# KiCad board EOutside.kicad_pcb (continued)
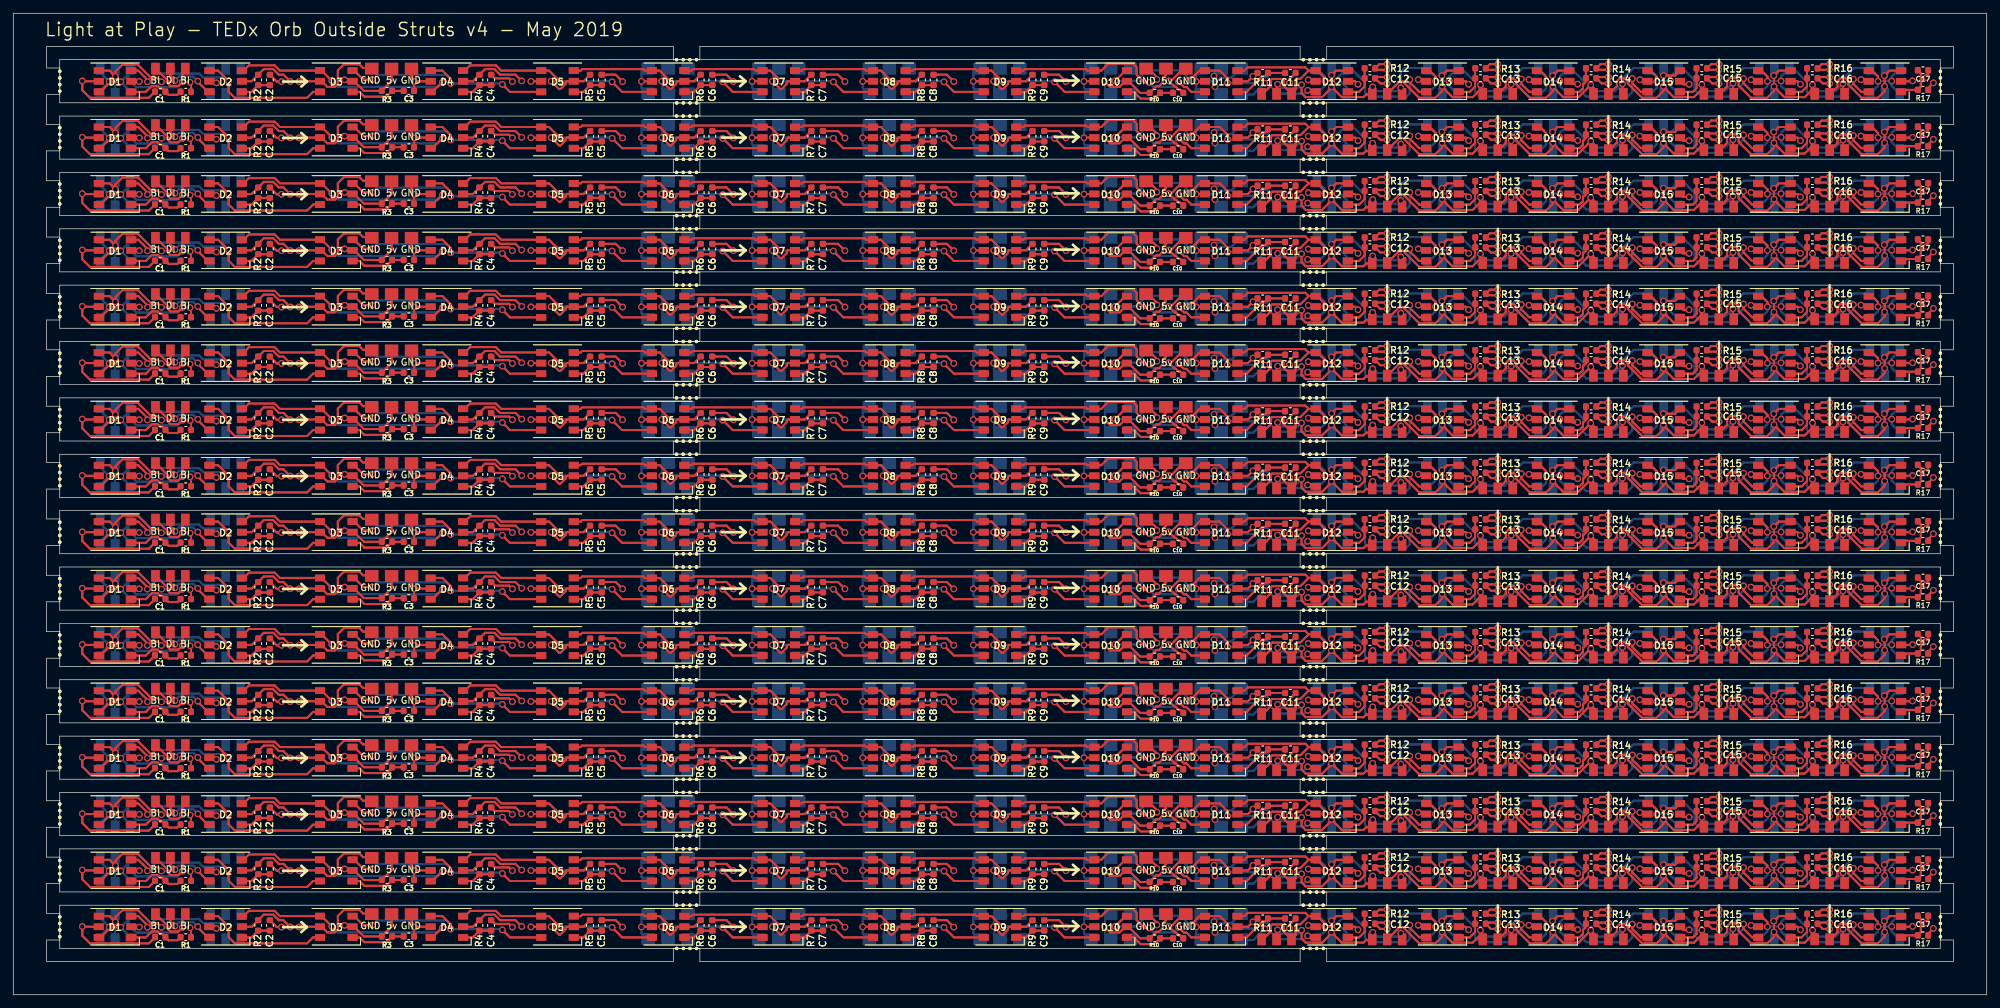
[diagram p0: board, top side]
## Nets (continued)
Net-(C16-Pad1): C16.1 C16#2.1 C16#3.1 C16#4.1 C16#5.1 C16#6.1 C16#7.1 C16#8.1 C16#9.1 C16#10.1 C16#11.1 C16#12.1 C16#13.1 C16#14.1 C16#15.1 C16#16.1 C16#17.1 C16#18.1 C16#19.1 C16#20.1 C16#21.1 C16#22.1 C16#23.1 C16#24.1 C16#25.1 C16#26.1 C16#27.1 C16#28.1 C16#29.1 C16#30.1 C16#31.1 C16#32.1 D16.1 D16#2.1 D16#3.1 D16#4.1 D16#5.1 D16#6.1 D16#7.1 D16#8.1 D16#9.1 D16#10.1 D16#11.1 D16#12.1 D16#13.1 D16#14.1 D16#15.1 D16#16.1 D16#17.1 D16#18.1 D16#19.1 D16#20.1 D16#21.1 D16#22.1 D16#23.1 D16#24.1 D16#25.1 D16#26.1 D16#27.1 D16#28.1 D16#29.1 D16#30.1 D16#31.1 D16#32.1 R16.2 R16#2.2 R16#3.2 R16#4.2 R16#5.2 R16#6.2 R16#7.2 R16#8.2 R16#9.2 R16#10.2 R16#11.2 R16#12.2 R16#13.2 R16#14.2 R16#15.2 R16#16.2 R16#17.2 R16#18.2 R16#19.2 R16#20.2 R16#21.2 R16#22.2 R16#23.2 R16#24.2 R16#25.2 R16#26.2 R16#27.2 R16#28.2 R16#29.2 R16#30.2 R16#31.2 R16#32.2
Net-(C17-Pad1): C17.1 C17#2.1 C17#3.1 C17#4.1 C17#5.1 C17#6.1 C17#7.1 C17#8.1 C17#9.1 C17#10.1 C17#11.1 C17#12.1 C17#13.1 C17#14.1 C17#15.1 C17#16.1 C17#17.1 C17#18.1 C17#19.1 C17#20.1 C17#21.1 C17#22.1 C17#23.1 C17#24.1 C17#25.1 C17#26.1 C17#27.1 C17#28.1 C17#29.1 C17#30.1 C17#31.1 C17#32.1 D17.1 D17#2.1 D17#3.1 D17#4.1 D17#5.1 D17#6.1 D17#7.1 D17#8.1 D17#9.1 D17#10.1 D17#11.1 D17#12.1 D17#13.1 D17#14.1 D17#15.1 D17#16.1 D17#17.1 D17#18.1 D17#19.1 D17#20.1 D17#21.1 D17#22.1 D17#23.1 D17#24.1 D17#25.1 D17#26.1 D17#27.1 D17#28.1 D17#29.1 D17#30.1 D17#31.1 D17#32.1 R17.2 R17#2.2 R17#3.2 R17#4.2 R17#5.2 R17#6.2 R17#7.2 R17#8.2 R17#9.2 R17#10.2 R17#11.2 R17#12.2 R17#13.2 R17#14.2 R17#15.2 R17#16.2 R17#17.2 R17#18.2 R17#19.2 R17#20.2 R17#21.2 R17#22.2 R17#23.2 R17#24.2 R17#25.2 R17#26.2 R17#27.2 R17#28.2 R17#29.2 R17#30.2 R17#31.2 R17#32.2
Net-(D1-Pad3): D1.3 D1#2.3 D1#3.3 D1#4.3 D1#5.3 D1#6.3 D1#7.3 D1#8.3 D1#9.3 D1#10.3 D1#11.3 D1#12.3 D1#13.3 D1#14.3 D1#15.3 D1#16.3 D1#17.3 D1#18.3 D1#19.3 D1#20.3 D1#21.3 D1#22.3 D1#23.3 D1#24.3 D1#25.3 D1#26.3 D1#27.3 D1#28.3 D1#29.3 D1#30.3 D1#31.3 D1#32.3 D2.4 D2#2.4 D2#3.4 D2#4.4 D2#5.4 D2#6.4 D2#7.4 D2#8.4 D2#9.4 D2#10.4 D2#11.4 D2#12.4 D2#13.4 D2#14.4 D2#15.4 D2#16.4 D2#17.4 D2#18.4 D2#19.4 D2#20.4 D2#21.4 D2#22.4 D2#23.4 D2#24.4 D2#25.4 D2#26.4 D2#27.4 D2#28.4 D2#29.4 D2#30.4 D2#31.4 D2#32.4 D3.6 D3#2.6 D3#3.6 D3#4.6 D3#5.6 D3#6.6 D3#7.6 D3#8.6 D3#9.6 D3#10.6 D3#11.6 D3#12.6 D3#13.6 D3#14.6 D3#15.6 D3#16.6 D3#17.6 D3#18.6 D3#19.6 D3#20.6 D3#21.6 D3#22.6 D3#23.6 D3#24.6 D3#25.6 D3#26.6 D3#27.6 D3#28.6 D3#29.6 D3#30.6 D3#31.6 D3#32.6
Net-(D1-Pad4): D1.4 D1#2.4 D1#3.4 D1#4.4 D1#5.4 D1#6.4 D1#7.4 D1#8.4 D1#9.4 D1#10.4 D1#11.4 D1#12.4 D1#13.4 D1#14.4 D1#15.4 D1#16.4 D1#17.4 D1#18.4 D1#19.4 D1#20.4 D1#21.4 D1#22.4 D1#23.4 D1#24.4 D1#25.4 D1#26.4 D1#27.4 D1#28.4 D1#29.4 D1#30.4 D1#31.4 D1#32.4 D2.6 D2#2.6 D2#3.6 D2#4.6 D2#5.6 D2#6.6 D2#7.6 D2#8.6 D2#9.6 D2#10.6 D2#11.6 D2#12.6 D2#13.6 D2#14.6 D2#15.6 D2#16.6 D2#17.6 D2#18.6 D2#19.6 D2#20.6 D2#21.6 D2#22.6 D2#23.6 D2#24.6 D2#25.6 D2#26.6 D2#27.6 D2#28.6 D2#29.6 D2#30.6 D2#31.6 D2#32.6 J7.1 J7#2.1 J7#3.1 J7#4.1 J7#5.1 J7#6.1 J7#7.1 J7#8.1 J7#9.1 J7#10.1 J7#11.1 J7#12.1 J7#13.1 J7#14.1 J7#15.1 J7#16.1 J7#17.1 J7#18.1 J7#19.1 J7#20.1 J7#21.1 J7#22.1 J7#23.1 J7#24.1 J7#25.1 J7#26.1 J7#27.1 J7#28.1 J7#29.1 J7#30.1 J7#31.1 J7#32.1 J7#33.1 J7#34.1 J7#35.1 J7#36.1 J7#41.1 J7#42.1 J7#43.1 J7#44.1 J7#47.1 J7#48.1 J7#49.1 J7#52.1 J7#53.1 J7#54.1 J7#55.1 J7#56.1 J7#59.1 J7#60.1 J7#61.1 J7#64.1 J7#65.1 J7#66.1 J7#67.1 J7#70.1 J7#71.1 J7#72.1 J7#75.1 J7#76.1 J7#77.1 J7#78.1 J7#79.1 J7#80.1 J7#83.1 J7#84.1 J7#85.1 J7#88.1 J7#89.1 J7#90.1 J7#91.1 J7#94.1 J7#95.1 J7#96.1 J7#99.1 J7#100.1 J7#101.1 J7#102.1 J7#105.1 J7#106.1 J7#107.1 J7#108.1 J7#110.1 J7#111.1 J7#112.1 J7#116.1 J7#117.1 J7#118.1 J7#120.1 J7#121.1 J7#123.1 J7#124.1 J7#125.1 J7#126.1 J7#127.1 J7#128.1 J7#129.1 J7#130.1 J7#132.1 J7#135.1 J7#136.1 J7#137.1 J7#138.1 J7#139.1 J7#141.1 J7#142.1 J7#143.1 J7#145.1 J7#148.1 J7#149.1 J7#152.1 J7#155.1 J7#156.1 J7#157.1 J7#158.1 J7#159.1 J7#160.1 J7#161.1 J7#162.1 J7#163.1 J7#164.1 J7#165.1 J7#166.1 J7#167.1 J7#170.1 J7#171.1 J7#174.1 J7#175.1 J7#177.1 J7#178.1 J7#179.1 J7#181.1 J7#182.1 J7#183.1 J7#185.1 J7#188.1 J7#189.1 J7#191.1 J7#193.1 J7#196.1 J7#197.1 J7#200.1 J7#201.1 J7#203.1 J7#206.1 J7#207.1 J7#208.1 J7#209.1 J7#210.1 J7#212.1 J7#213.1 J7#214.1 J7#215.1 J7#216.1 J7#219.1 J7#220.1 J7#221.1 J7#222.1 J7#223.1 J7#224.1
Net-(D1-Pad6): D1.6 D1#2.6 D1#3.6 D1#4.6 D1#5.6 D1#6.6 D1#7.6 D1#8.6 D1#9.6 D1#10.6 D1#11.6 D1#12.6 D1#13.6 D1#14.6 D1#15.6 D1#16.6 D1#17.6 D1#18.6 D1#19.6 D1#20.6 D1#21.6 D1#22.6 D1#23.6 D1#24.6 D1#25.6 D1#26.6 D1#27.6 D1#28.6 D1#29.6 D1#30.6 D1#31.6 D1#32.6 J7.2 J7#2.2 J7#3.2 J7#4.2 J7#5.2 J7#6.2 J7#7.2 J7#8.2 J7#9.2 J7#10.2 J7#11.2 J7#12.2 J7#13.2 J7#14.2 J7#15.2 J7#16.2 J7#17.2 J7#18.2 J7#19.2 J7#20.2 J7#21.2 J7#22.2 J7#23.2 J7#24.2 J7#25.2 J7#26.2 J7#27.2 J7#28.2 J7#29.2 J7#30.2 J7#31.2 J7#32.2 J7#33.2 J7#34.2 J7#35.2 J7#36.2 J7#41.2 J7#42.2 J7#43.2 J7#44.2 J7#47.2 J7#48.2 J7#49.2 J7#52.2 J7#53.2 J7#54.2 J7#55.2 J7#56.2 J7#59.2 J7#60.2 J7#61.2 J7#64.2 J7#65.2 J7#66.2 J7#67.2 J7#70.2 J7#71.2 J7#72.2 J7#75.2 J7#76.2 J7#77.2 J7#78.2 J7#79.2 J7#80.2 J7#83.2 J7#84.2 J7#85.2 J7#88.2 J7#89.2 J7#90.2 J7#91.2 J7#94.2 J7#95.2 J7#96.2 J7#99.2 J7#100.2 J7#101.2 J7#102.2 J7#105.2 J7#106.2 J7#107.2 J7#108.2 J7#110.2 J7#111.2 J7#112.2 J7#116.2 J7#117.2 J7#118.2 J7#120.2 J7#121.2 J7#123.2 J7#124.2 J7#125.2 J7#126.2 J7#127.2 J7#128.2 J7#129.2 J7#130.2 J7#132.2 J7#135.2 J7#136.2 J7#137.2 J7#138.2 J7#139.2 J7#141.2 J7#142.2 J7#143.2 J7#145.2 J7#148.2 J7#149.2 J7#152.2 J7#155.2 J7#156.2 J7#157.2 J7#158.2 J7#159.2 J7#160.2 J7#161.2 J7#162.2 J7#163.2 J7#164.2 J7#165.2 J7#166.2 J7#167.2 J7#170.2 J7#171.2 J7#174.2 J7#175.2 J7#177.2 J7#178.2 J7#179.2 J7#181.2 J7#182.2 J7#183.2 J7#185.2 J7#188.2 J7#189.2 J7#191.2 J7#193.2 J7#196.2 J7#197.2 J7#200.2 J7#201.2 J7#203.2 J7#206.2 J7#207.2 J7#208.2 J7#209.2 J7#210.2 J7#212.2 J7#213.2 J7#214.2 J7#215.2 J7#216.2 J7#219.2 J7#220.2 J7#221.2 J7#222.2 J7#223.2 J7#224.2
Net-(D2-Pad3): D2.3 D2#2.3 D2#3.3 D2#4.3 D2#5.3 D2#6.3 D2#7.3 D2#8.3 D2#9.3 D2#10.3 D2#11.3 D2#12.3 D2#13.3 D2#14.3 D2#15.3 D2#16.3 D2#17.3 D2#18.3 D2#19.3 D2#20.3 D2#21.3 D2#22.3 D2#23.3 D2#24.3 D2#25.3 D2#26.3 D2#27.3 D2#28.3 D2#29.3 D2#30.3 D2#31.3 D2#32.3 D3.4 D3#2.4 D3#3.4 D3#4.4 D3#5.4 D3#6.4 D3#7.4 D3#8.4 D3#9.4 D3#10.4 D3#11.4 D3#12.4 D3#13.4 D3#14.4 D3#15.4 D3#16.4 D3#17.4 D3#18.4 D3#19.4 D3#20.4 D3#21.4 D3#22.4 D3#23.4 D3#24.4 D3#25.4 D3#26.4 D3#27.4 D3#28.4 D3#29.4 D3#30.4 D3#31.4 D3#32.4 D4.6 D4#2.6 D4#3.6 D4#4.6 D4#5.6 D4#6.6 D4#7.6 D4#8.6 D4#9.6 D4#10.6 D4#11.6 D4#12.6 D4#13.6 D4#14.6 D4#15.6 D4#16.6 D4#17.6 D4#18.6 D4#19.6 D4#20.6 D4#21.6 D4#22.6 D4#23.6 D4#24.6 D4#25.6 D4#26.6 D4#27.6 D4#28.6 D4#29.6 D4#30.6 D4#31.6 D4#32.6
Net-(D3-Pad3): D3.3 D3#2.3 D3#3.3 D3#4.3 D3#5.3 D3#6.3 D3#7.3 D3#8.3 D3#9.3 D3#10.3 D3#11.3 D3#12.3 D3#13.3 D3#14.3 D3#15.3 D3#16.3 D3#17.3 D3#18.3 D3#19.3 D3#20.3 D3#21.3 D3#22.3 D3#23.3 D3#24.3 D3#25.3 D3#26.3 D3#27.3 D3#28.3 D3#29.3 D3#30.3 D3#31.3 D3#32.3 D4.4 D4#2.4 D4#3.4 D4#4.4 D4#5.4 D4#6.4 D4#7.4 D4#8.4 D4#9.4 D4#10.4 D4#11.4 D4#12.4 D4#13.4 D4#14.4 D4#15.4 D4#16.4 D4#17.4 D4#18.4 D4#19.4 D4#20.4 D4#21.4 D4#22.4 D4#23.4 D4#24.4 D4#25.4 D4#26.4 D4#27.4 D4#28.4 D4#29.4 D4#30.4 D4#31.4 D4#32.4 D5.6 D5#2.6 D5#3.6 D5#4.6 D5#5.6 D5#6.6 D5#7.6 D5#8.6 D5#9.6 D5#10.6 D5#11.6 D5#12.6 D5#13.6 D5#14.6 D5#15.6 D5#16.6 D5#17.6 D5#18.6 D5#19.6 D5#20.6 D5#21.6 D5#22.6 D5#23.6 D5#24.6 D5#25.6 D5#26.6 D5#27.6 D5#28.6 D5#29.6 D5#30.6 D5#31.6 D5#32.6
Net-(D4-Pad3): D4.3 D4#2.3 D4#3.3 D4#4.3 D4#5.3 D4#6.3 D4#7.3 D4#8.3 D4#9.3 D4#10.3 D4#11.3 D4#12.3 D4#13.3 D4#14.3 D4#15.3 D4#16.3 D4#17.3 D4#18.3 D4#19.3 D4#20.3 D4#21.3 D4#22.3 D4#23.3 D4#24.3 D4#25.3 D4#26.3 D4#27.3 D4#28.3 D4#29.3 D4#30.3 D4#31.3 D4#32.3 D5.4 D5#2.4 D5#3.4 D5#4.4 D5#5.4 D5#6.4 D5#7.4 D5#8.4 D5#9.4 D5#10.4 D5#11.4 D5#12.4 D5#13.4 D5#14.4 D5#15.4 D5#16.4 D5#17.4 D5#18.4 D5#19.4 D5#20.4 D5#21.4 D5#22.4 D5#23.4 D5#24.4 D5#25.4 D5#26.4 D5#27.4 D5#28.4 D5#29.4 D5#30.4 D5#31.4 D5#32.4 D6.6 D6#2.6 D6#3.6 D6#4.6 D6#5.6 D6#6.6 D6#7.6 D6#8.6 D6#9.6 D6#10.6 D6#11.6 D6#12.6 D6#13.6 D6#14.6 D6#15.6 D6#16.6 D6#17.6 D6#18.6 D6#19.6 D6#20.6 D6#21.6 D6#22.6 D6#23.6 D6#24.6 D6#25.6 D6#26.6 D6#27.6 D6#28.6 D6#29.6 D6#30.6 D6#31.6 D6#32.6
Net-(D5-Pad3): D5.3 D5#2.3 D5#3.3 D5#4.3 D5#5.3 D5#6.3 D5#7.3 D5#8.3 D5#9.3 D5#10.3 D5#11.3 D5#12.3 D5#13.3 D5#14.3 D5#15.3 D5#16.3 D5#17.3 D5#18.3 D5#19.3 D5#20.3 D5#21.3 D5#22.3 D5#23.3 D5#24.3 D5#25.3 D5#26.3 D5#27.3 D5#28.3 D5#29.3 D5#30.3 D5#31.3 D5#32.3 D6.4 D6#2.4 D6#3.4 D6#4.4 D6#5.4 D6#6.4 D6#7.4 D6#8.4 D6#9.4 D6#10.4 D6#11.4 D6#12.4 D6#13.4 D6#14.4 D6#15.4 D6#16.4 D6#17.4 D6#18.4 D6#19.4 D6#20.4 D6#21.4 D6#22.4 D6#23.4 D6#24.4 D6#25.4 D6#26.4 D6#27.4 D6#28.4 D6#29.4 D6#30.4 D6#31.4 D6#32.4 D7.6 D7#2.6 D7#3.6 D7#4.6 D7#5.6 D7#6.6 D7#7.6 D7#8.6 D7#9.6 D7#10.6 D7#11.6 D7#12.6 D7#13.6 D7#14.6 D7#15.6 D7#16.6 D7#17.6 D7#18.6 D7#19.6 D7#20.6 D7#21.6 D7#22.6 D7#23.6 D7#24.6 D7#25.6 D7#26.6 D7#27.6 D7#28.6 D7#29.6 D7#30.6 D7#31.6 D7#32.6
Net-(D6-Pad3): D6.3 D6#2.3 D6#3.3 D6#4.3 D6#5.3 D6#6.3 D6#7.3 D6#8.3 D6#9.3 D6#10.3 D6#11.3 D6#12.3 D6#13.3 D6#14.3 D6#15.3 D6#16.3 D6#17.3 D6#18.3 D6#19.3 D6#20.3 D6#21.3 D6#22.3 D6#23.3 D6#24.3 D6#25.3 D6#26.3 D6#27.3 D6#28.3 D6#29.3 D6#30.3 D6#31.3 D6#32.3 D7.4 D7#2.4 D7#3.4 D7#4.4 D7#5.4 D7#6.4 D7#7.4 D7#8.4 D7#9.4 D7#10.4 D7#11.4 D7#12.4 D7#13.4 D7#14.4 D7#15.4 D7#16.4 D7#17.4 D7#18.4 D7#19.4 D7#20.4 D7#21.4 D7#22.4 D7#23.4 D7#24.4 D7#25.4 D7#26.4 D7#27.4 D7#28.4 D7#29.4 D7#30.4 D7#31.4 D7#32.4 D8.6 D8#2.6 D8#3.6 D8#4.6 D8#5.6 D8#6.6 D8#7.6 D8#8.6 D8#9.6 D8#10.6 D8#11.6 D8#12.6 D8#13.6 D8#14.6 D8#15.6 D8#16.6 D8#17.6 D8#18.6 D8#19.6 D8#20.6 D8#21.6 D8#22.6 D8#23.6 D8#24.6 D8#25.6 D8#26.6 D8#27.6 D8#28.6 D8#29.6 D8#30.6 D8#31.6 D8#32.6
Net-(D7-Pad3): D7.3 D7#2.3 D7#3.3 D7#4.3 D7#5.3 D7#6.3 D7#7.3 D7#8.3 D7#9.3 D7#10.3 D7#11.3 D7#12.3 D7#13.3 D7#14.3 D7#15.3 D7#16.3 D7#17.3 D7#18.3 D7#19.3 D7#20.3 D7#21.3 D7#22.3 D7#23.3 D7#24.3 D7#25.3 D7#26.3 D7#27.3 D7#28.3 D7#29.3 D7#30.3 D7#31.3 D7#32.3 D8.4 D8#2.4 D8#3.4 D8#4.4 D8#5.4 D8#6.4 D8#7.4 D8#8.4 D8#9.4 D8#10.4 D8#11.4 D8#12.4 D8#13.4 D8#14.4 D8#15.4 D8#16.4 D8#17.4 D8#18.4 D8#19.4 D8#20.4 D8#21.4 D8#22.4 D8#23.4 D8#24.4 D8#25.4 D8#26.4 D8#27.4 D8#28.4 D8#29.4 D8#30.4 D8#31.4 D8#32.4 D9.6 D9#2.6 D9#3.6 D9#4.6 D9#5.6 D9#6.6 D9#7.6 D9#8.6 D9#9.6 D9#10.6 D9#11.6 D9#12.6 D9#13.6 D9#14.6 D9#15.6 D9#16.6 D9#17.6 D9#18.6 D9#19.6 D9#20.6 D9#21.6 D9#22.6 D9#23.6 D9#24.6 D9#25.6 D9#26.6 D9#27.6 D9#28.6 D9#29.6 D9#30.6 D9#31.6 D9#32.6
Net-(D10-Pad3): D10.3 D10#2.3 D10#3.3 D10#4.3 D10#5.3 D10#6.3 D10#7.3 D10#8.3 D10#9.3 D10#10.3 D10#11.3 D10#12.3 D10#13.3 D10#14.3 D10#15.3 D10#16.3 D10#17.3 D10#18.3 D10#19.3 D10#20.3 D10#21.3 D10#22.3 D10#23.3 D10#24.3 D10#25.3 D10#26.3 D10#27.3 D10#28.3 D10#29.3 D10#30.3 D10#31.3 D10#32.3 D11.4 D11#2.4 D11#3.4 D11#4.4 D11#5.4 D11#6.4 D11#7.4 D11#8.4 D11#9.4 D11#10.4 D11#11.4 D11#12.4 D11#13.4 D11#14.4 D11#15.4 D11#16.4 D11#17.4 D11#18.4 D11#19.4 D11#20.4 D11#21.4 D11#22.4 D11#23.4 D11#24.4 D11#25.4 D11#26.4 D11#27.4 D11#28.4 D11#29.4 D11#30.4 D11#31.4 D11#32.4 D12.6 D12#2.6 D12#3.6 D12#4.6 D12#5.6 D12#6.6 D12#7.6 D12#8.6 D12#9.6 D12#10.6 D12#11.6 D12#12.6 D12#13.6 D12#14.6 D12#15.6 D12#16.6 D12#17.6 D12#18.6 D12#19.6 D12#20.6 D12#21.6 D12#22.6 D12#23.6 D12#24.6 D12#25.6 D12#26.6 D12#27.6 D12#28.6 D12#29.6 D12#30.6 D12#31.6 D12#32.6
Net-(D10-Pad4): D9.3 D9#2.3 D9#3.3 D9#4.3 D9#5.3 D9#6.3 D9#7.3 D9#8.3 D9#9.3 D9#10.3 D9#11.3 D9#12.3 D9#13.3 D9#14.3 D9#15.3 D9#16.3 D9#17.3 D9#18.3 D9#19.3 D9#20.3 D9#21.3 D9#22.3 D9#23.3 D9#24.3 D9#25.3 D9#26.3 D9#27.3 D9#28.3 D9#29.3 D9#30.3 D9#31.3 D9#32.3 D10.4 D10#2.4 D10#3.4 D10#4.4 D10#5.4 D10#6.4 D10#7.4 D10#8.4 D10#9.4 D10#10.4 D10#11.4 D10#12.4 D10#13.4 D10#14.4 D10#15.4 D10#16.4 D10#17.4 D10#18.4 D10#19.4 D10#20.4 D10#21.4 D10#22.4 D10#23.4 D10#24.4 D10#25.4 D10#26.4 D10#27.4 D10#28.4 D10#29.4 D10#30.4 D10#31.4 D10#32.4 D11.6 D11#2.6 D11#3.6 D11#4.6 D11#5.6 D11#6.6 D11#7.6 D11#8.6 D11#9.6 D11#10.6 D11#11.6 D11#12.6 D11#13.6 D11#14.6 D11#15.6 D11#16.6 D11#17.6 D11#18.6 D11#19.6 D11#20.6 D11#21.6 D11#22.6 D11#23.6 D11#24.6 D11#25.6 D11#26.6 D11#27.6 D11#28.6 D11#29.6 D11#30.6 D11#31.6 D11#32.6
Net-(D10-Pad6): D8.3 D8#2.3 D8#3.3 D8#4.3 D8#5.3 D8#6.3 D8#7.3 D8#8.3 D8#9.3 D8#10.3 D8#11.3 D8#12.3 D8#13.3 D8#14.3 D8#15.3 D8#16.3 D8#17.3 D8#18.3 D8#19.3 D8#20.3 D8#21.3 D8#22.3 D8#23.3 D8#24.3 D8#25.3 D8#26.3 D8#27.3 D8#28.3 D8#29.3 D8#30.3 D8#31.3 D8#32.3 D9.4 D9#2.4 D9#3.4 D9#4.4 D9#5.4 D9#6.4 D9#7.4 D9#8.4 D9#9.4 D9#10.4 D9#11.4 D9#12.4 D9#13.4 D9#14.4 D9#15.4 D9#16.4 D9#17.4 D9#18.4 D9#19.4 D9#20.4 D9#21.4 D9#22.4 D9#23.4 D9#24.4 D9#25.4 D9#26.4 D9#27.4 D9#28.4 D9#29.4 D9#30.4 D9#31.4 D9#32.4 D10.6 D10#2.6 D10#3.6 D10#4.6 D10#5.6 D10#6.6 D10#7.6 D10#8.6 D10#9.6 D10#10.6 D10#11.6 D10#12.6 D10#13.6 D10#14.6 D10#15.6 D10#16.6 D10#17.6 D10#18.6 D10#19.6 D10#20.6 D10#21.6 D10#22.6 D10#23.6 D10#24.6 D10#25.6 D10#26.6 D10#27.6 D10#28.6 D10#29.6 D10#30.6 D10#31.6 D10#32.6
Net-(D11-Pad3): D11.3 D11#2.3 D11#3.3 D11#4.3 D11#5.3 D11#6.3 D11#7.3 D11#8.3 D11#9.3 D11#10.3 D11#11.3 D11#12.3 D11#13.3 D11#14.3 D11#15.3 D11#16.3 D11#17.3 D11#18.3 D11#19.3 D11#20.3 D11#21.3 D11#22.3 D11#23.3 D11#24.3 D11#25.3 D11#26.3 D11#27.3 D11#28.3 D11#29.3 D11#30.3 D11#31.3 D11#32.3 D12.4 D12#2.4 D12#3.4 D12#4.4 D12#5.4 D12#6.4 D12#7.4 D12#8.4 D12#9.4 D12#10.4 D12#11.4 D12#12.4 D12#13.4 D12#14.4 D12#15.4 D12#16.4 D12#17.4 D12#18.4 D12#19.4 D12#20.4 D12#21.4 D12#22.4 D12#23.4 D12#24.4 D12#25.4 D12#26.4 D12#27.4 D12#28.4 D12#29.4 D12#30.4 D12#31.4 D12#32.4 D13.6 D13#2.6 D13#3.6 D13#4.6 D13#5.6 D13#6.6 D13#7.6 D13#8.6 D13#9.6 D13#10.6 D13#11.6 D13#12.6 D13#13.6 D13#14.6 D13#15.6 D13#16.6 D13#17.6 D13#18.6 D13#19.6 D13#20.6 D13#21.6 D13#22.6 D13#23.6 D13#24.6 D13#25.6 D13#26.6 D13#27.6 D13#28.6 D13#29.6 D13#30.6 D13#31.6 D13#32.6 J8.2 J8#2.2 J8#3.2 J8#4.2 J8#5.2 J8#6.2 J8#7.2 J8#8.2 J8#9.2 J8#10.2 J8#11.2 J8#12.2 J8#13.2 J8#14.2 J8#15.2 J8#16.2 J8#17.2 J8#18.2 J8#19.2 J8#20.2 J8#21.2 J8#22.2 J8#23.2 J8#24.2 J8#25.2 J8#26.2 J8#27.2 J8#28.2 J8#29.2 J8#30.2 J8#31.2 J8#32.2 J8#33.2 J8#34.2 J8#35.2 J8#36.2 J8#37.2 J8#38.2 J8#39.2 J8#40.2 J8#41.2 J8#42.2 J8#43.2 J8#44.2 J8#45.2 J8#46.2 J8#47.2 J8#48.2 J8#49.2 J8#50.2 J8#51.2 J8#52.2 J8#53.2 J8#54.2 J8#55.2 J8#56.2 J8#57.2 J8#58.2 J8#59.2 J8#60.2 J8#61.2 J8#62.2 J8#63.2 J8#64.2 J8#65.2 J8#66.2 J8#67.2 J8#68.2 J8#69.2 J8#70.2 J8#71.2 J8#72.2 J8#73.2 J8#74.2 J8#75.2 J8#76.2 J8#77.2 J8#78.2 J8#79.2 J8#80.2 J8#81.2 J8#82.2 J8#83.2 J8#84.2 J8#85.2 J8#86.2 J8#87.2 J8#88.2 J8#89.2 J8#90.2 J8#91.2 J8#92.2 J8#93.2 J8#94.2 J8#95.2 J8#96.2
Net-(D12-Pad3): D12.3 D12#2.3 D12#3.3 D12#4.3 D12#5.3 D12#6.3 D12#7.3 D12#8.3 D12#9.3 D12#10.3 D12#11.3 D12#12.3 D12#13.3 D12#14.3 D12#15.3 D12#16.3 D12#17.3 D12#18.3 D12#19.3 D12#20.3 D12#21.3 D12#22.3 D12#23.3 D12#24.3 D12#25.3 D12#26.3 D12#27.3 D12#28.3 D12#29.3 D12#30.3 D12#31.3 D12#32.3 D13.4 D13#2.4 D13#3.4 D13#4.4 D13#5.4 D13#6.4 D13#7.4 D13#8.4 D13#9.4 D13#10.4 D13#11.4 D13#12.4 D13#13.4 D13#14.4 D13#15.4 D13#16.4 D13#17.4 D13#18.4 D13#19.4 D13#20.4 D13#21.4 D13#22.4 D13#23.4 D13#24.4 D13#25.4 D13#26.4 D13#27.4 D13#28.4 D13#29.4 D13#30.4 D13#31.4 D13#32.4 D14.6 D14#2.6 D14#3.6 D14#4.6 D14#5.6 D14#6.6 D14#7.6 D14#8.6 D14#9.6 D14#10.6 D14#11.6 D14#12.6 D14#13.6 D14#14.6 D14#15.6 D14#16.6 D14#17.6 D14#18.6 D14#19.6 D14#20.6 D14#21.6 D14#22.6 D14#23.6 D14#24.6 D14#25.6 D14#26.6 D14#27.6 D14#28.6 D14#29.6 D14#30.6 D14#31.6 D14#32.6 J8.1 J8#2.1 J8#3.1 J8#4.1 J8#5.1 J8#6.1 J8#7.1 J8#8.1 J8#9.1 J8#10.1 J8#11.1 J8#12.1 J8#13.1 J8#14.1 J8#15.1 J8#16.1 J8#17.1 J8#18.1 J8#19.1 J8#20.1 J8#21.1 J8#22.1 J8#23.1 J8#24.1 J8#25.1 J8#26.1 J8#27.1 J8#28.1 J8#29.1 J8#30.1 J8#31.1 J8#32.1 J8#33.1 J8#34.1 J8#35.1 J8#36.1 J8#37.1 J8#38.1 J8#39.1 J8#40.1 J8#41.1 J8#42.1 J8#43.1 J8#44.1 J8#45.1 J8#46.1 J8#47.1 J8#48.1 J8#49.1 J8#50.1 J8#51.1 J8#52.1 J8#53.1 J8#54.1 J8#55.1 J8#56.1 J8#57.1 J8#58.1 J8#59.1 J8#60.1 J8#61.1 J8#62.1 J8#63.1 J8#64.1 J8#65.1 J8#66.1 J8#67.1 J8#68.1 J8#69.1 J8#70.1 J8#71.1 J8#72.1 J8#73.1 J8#74.1 J8#75.1 J8#76.1 J8#77.1 J8#78.1 J8#79.1 J8#80.1 J8#81.1 J8#82.1 J8#83.1 J8#84.1 J8#85.1 J8#86.1 J8#87.1 J8#88.1 J8#89.1 J8#90.1 J8#91.1 J8#92.1 J8#93.1 J8#94.1 J8#95.1 J8#96.1 J9.2 J9#2.2 J9#3.2 J9#4.2 J9#5.2 J9#6.2 J9#7.2 J9#8.2 J9#9.2 J9#10.2 J9#11.2 J9#12.2 J9#13.2 J9#14.2 J9#15.2 J9#16.2 J9#17.2 J9#18.2 J9#19.2 J9#20.2 J9#21.2 J9#22.2 J9#23.2 J9#24.2 J9#25.2 J9#26.2 J9#27.2 J9#28.2 J9#29.2 J9#30.2 J9#31.2 J9#32.2 J9#33.2 J9#34.2 J9#35.2 J9#36.2 J9#37.2 J9#38.2 J9#39.2 J9#40.2 J9#41.2 J9#42.2 J9#43.2 J9#44.2 J9#45.2 J9#46.2 J9#47.2 J9#48.2 J9#49.2 J9#50.2 J9#51.2 J9#52.2 J9#53.2 J9#54.2 J9#55.2 J9#56.2 J9#57.2 J9#58.2 J9#59.2 J9#60.2 J9#61.2 J9#62.2 J9#63.2 J9#64.2 J9#65.2 J9#66.2 J9#67.2 J9#68.2 J9#69.2 J9#70.2 J9#71.2 J9#72.2 J9#73.2 J9#74.2 J9#75.2 J9#76.2 J9#77.2 J9#78.2 J9#79.2 J9#80.2 J9#81.2 J9#82.2 J9#83.2 J9#84.2 J9#85.2 J9#86.2 J9#87.2 J9#88.2 J9#89.2 J9#90.2 J9#91.2 J9#92.2 J9#93.2 J9#94.2 J9#95.2 J9#96.2
Net-(D13-Pad3): D13.3 D13#2.3 D13#3.3 D13#4.3 D13#5.3 D13#6.3 D13#7.3 D13#8.3 D13#9.3 D13#10.3 D13#11.3 D13#12.3 D13#13.3 D13#14.3 D13#15.3 D13#16.3 D13#17.3 D13#18.3 D13#19.3 D13#20.3 D13#21.3 D13#22.3 D13#23.3 D13#24.3 D13#25.3 D13#26.3 D13#27.3 D13#28.3 D13#29.3 D13#30.3 D13#31.3 D13#32.3 D14.4 D14#2.4 D14#3.4 D14#4.4 D14#5.4 D14#6.4 D14#7.4 D14#8.4 D14#9.4 D14#10.4 D14#11.4 D14#12.4 D14#13.4 D14#14.4 D14#15.4 D14#16.4 D14#17.4 D14#18.4 D14#19.4 D14#20.4 D14#21.4 D14#22.4 D14#23.4 D14#24.4 D14#25.4 D14#26.4 D14#27.4 D14#28.4 D14#29.4 D14#30.4 D14#31.4 D14#32.4 D15.6 D15#2.6 D15#3.6 D15#4.6 D15#5.6 D15#6.6 D15#7.6 D15#8.6 D15#9.6 D15#10.6 D15#11.6 D15#12.6 D15#13.6 D15#14.6 D15#15.6 D15#16.6 D15#17.6 D15#18.6 D15#19.6 D15#20.6 D15#21.6 D15#22.6 D15#23.6 D15#24.6 D15#25.6 D15#26.6 D15#27.6 D15#28.6 D15#29.6 D15#30.6 D15#31.6 D15#32.6 J9.1 J9#2.1 J9#3.1 J9#4.1 J9#5.1 J9#6.1 J9#7.1 J9#8.1 J9#9.1 J9#10.1 J9#11.1 J9#12.1 J9#13.1 J9#14.1 J9#15.1 J9#16.1 J9#17.1 J9#18.1 J9#19.1 J9#20.1 J9#21.1 J9#22.1 J9#23.1 J9#24.1 J9#25.1 J9#26.1 J9#27.1 J9#28.1 J9#29.1 J9#30.1 J9#31.1 J9#32.1 J9#33.1 J9#34.1 J9#35.1 J9#36.1 J9#37.1 J9#38.1 J9#39.1 J9#40.1 J9#41.1 J9#42.1 J9#43.1 J9#44.1 J9#45.1 J9#46.1 J9#47.1 J9#48.1 J9#49.1 J9#50.1 J9#51.1 J9#52.1 J9#53.1 J9#54.1 J9#55.1 J9#56.1 J9#57.1 J9#58.1 J9#59.1 J9#60.1 J9#61.1 J9#62.1 J9#63.1 J9#64.1 J9#65.1 J9#66.1 J9#67.1 J9#68.1 J9#69.1 J9#70.1 J9#71.1 J9#72.1 J9#73.1 J9#74.1 J9#75.1 J9#76.1 J9#77.1 J9#78.1 J9#79.1 J9#80.1 J9#81.1 J9#82.1 J9#83.1 J9#84.1 J9#85.1 J9#86.1 J9#87.1 J9#88.1 J9#89.1 J9#90.1 J9#91.1 J9#92.1 J9#93.1 J9#94.1 J9#95.1 J9#96.1 J10.2 J10#2.2 J10#3.2 J10#4.2 J10#5.2 J10#6.2 J10#7.2 J10#8.2 J10#9.2 J10#10.2 J10#11.2 J10#12.2 J10#13.2 J10#14.2 J10#15.2 J10#16.2 J10#17.2 J10#18.2 J10#19.2 J10#20.2 J10#21.2 J10#22.2 J10#23.2 J10#24.2 J10#25.2 J10#26.2 J10#27.2 J10#28.2 J10#29.2 J10#30.2 J10#31.2 J10#32.2 J10#33.2 J10#34.2 J10#35.2 J10#36.2 J10#37.2 J10#38.2 J10#39.2 J10#40.2 J10#41.2 J10#42.2 J10#43.2 J10#44.2 J10#45.2 J10#46.2 J10#47.2 J10#48.2 J10#49.2 J10#50.2 J10#51.2 J10#52.2 J10#53.2 J10#54.2 J10#55.2 J10#56.2 J10#57.2 J10#58.2 J10#59.2 J10#60.2 J10#61.2 J10#62.2 J10#63.2 J10#64.2 J10#65.2 J10#66.2 J10#67.2 J10#68.2 J10#69.2 J10#70.2 J10#71.2 J10#72.2 J10#73.2 J10#74.2 J10#75.2 J10#76.2 J10#77.2 J10#78.2 J10#79.2 J10#80.2 J10#81.2 J10#82.2 J10#83.2 J10#84.2 J10#85.2 J10#86.2 J10#87.2 J10#88.2 J10#89.2 J10#90.2 J10#91.2 J10#92.2 J10#93.2 J10#94.2 J10#95.2 J10#96.2
Net-(D14-Pad3): D14.3 D14#2.3 D14#3.3 D14#4.3 D14#5.3 D14#6.3 D14#7.3 D14#8.3 D14#9.3 D14#10.3 D14#11.3 D14#12.3 D14#13.3 D14#14.3 D14#15.3 D14#16.3 D14#17.3 D14#18.3 D14#19.3 D14#20.3 D14#21.3 D14#22.3 D14#23.3 D14#24.3 D14#25.3 D14#26.3 D14#27.3 D14#28.3 D14#29.3 D14#30.3 D14#31.3 D14#32.3 D15.4 D15#2.4 D15#3.4 D15#4.4 D15#5.4 D15#6.4 D15#7.4 D15#8.4 D15#9.4 D15#10.4 D15#11.4 D15#12.4 D15#13.4 D15#14.4 D15#15.4 D15#16.4 D15#17.4 D15#18.4 D15#19.4 D15#20.4 D15#21.4 D15#22.4 D15#23.4 D15#24.4 D15#25.4 D15#26.4 D15#27.4 D15#28.4 D15#29.4 D15#30.4 D15#31.4 D15#32.4 D16.6 D16#2.6 D16#3.6 D16#4.6 D16#5.6 D16#6.6 D16#7.6 D16#8.6 D16#9.6 D16#10.6 D16#11.6 D16#12.6 D16#13.6 D16#14.6 D16#15.6 D16#16.6 D16#17.6 D16#18.6 D16#19.6 D16#20.6 D16#21.6 D16#22.6 D16#23.6 D16#24.6 D16#25.6 D16#26.6 D16#27.6 D16#28.6 D16#29.6 D16#30.6 D16#31.6 D16#32.6 J10.1 J10#2.1 J10#3.1 J10#4.1 J10#5.1 J10#6.1 J10#7.1 J10#8.1 J10#9.1 J10#10.1 J10#11.1 J10#12.1 J10#13.1 J10#14.1 J10#15.1 J10#16.1 J10#17.1 J10#18.1 J10#19.1 J10#20.1 J10#21.1 J10#22.1 J10#23.1 J10#24.1 J10#25.1 J10#26.1 J10#27.1 J10#28.1 J10#29.1 J10#30.1 J10#31.1 J10#32.1 J10#33.1 J10#34.1 J10#35.1 J10#36.1 J10#37.1 J10#38.1 J10#39.1 J10#40.1 J10#41.1 J10#42.1 J10#43.1 J10#44.1 J10#45.1 J10#46.1 J10#47.1 J10#48.1 J10#49.1 J10#50.1 J10#51.1 J10#52.1 J10#53.1 J10#54.1 J10#55.1 J10#56.1 J10#57.1 J10#58.1 J10#59.1 J10#60.1 J10#61.1 J10#62.1 J10#63.1 J10#64.1 J10#65.1 J10#66.1 J10#67.1 J10#68.1 J10#69.1 J10#70.1 J10#71.1 J10#72.1 J10#73.1 J10#74.1 J10#75.1 J10#76.1 J10#77.1 J10#78.1 J10#79.1 J10#80.1 J10#81.1 J10#82.1 J10#83.1 J10#84.1 J10#85.1 J10#86.1 J10#87.1 J10#88.1 J10#89.1 J10#90.1 J10#91.1 J10#92.1 J10#93.1 J10#94.1 J10#95.1 J10#96.1 J11.2 J11#2.2 J11#3.2 J11#4.2 J11#5.2 J11#6.2 J11#7.2 J11#8.2 J11#9.2 J11#10.2 J11#11.2 J11#12.2 J11#13.2 J11#14.2 J11#15.2 J11#16.2 J11#17.2 J11#18.2 J11#19.2 J11#20.2 J11#21.2 J11#22.2 J11#23.2 J11#24.2 J11#25.2 J11#26.2 J11#27.2 J11#28.2 J11#29.2 J11#30.2 J11#31.2 J11#32.2 J11#33.2 J11#34.2 J11#35.2 J11#36.2 J11#37.2 J11#38.2 J11#39.2 J11#40.2 J11#41.2 J11#42.2 J11#43.2 J11#44.2 J11#45.2 J11#46.2 J11#47.2 J11#48.2 J11#49.2 J11#50.2 J11#51.2 J11#52.2 J11#53.2 J11#54.2 J11#55.2 J11#56.2 J11#57.2 J11#58.2 J11#59.2 J11#60.2 J11#61.2 J11#62.2 J11#63.2 J11#64.2 J11#65.2 J11#66.2 J11#67.2 J11#68.2 J11#69.2 J11#70.2 J11#71.2 J11#72.2 J11#73.2 J11#74.2 J11#75.2 J11#76.2 J11#77.2 J11#78.2 J11#79.2 J11#80.2 J11#81.2 J11#82.2 J11#83.2 J11#84.2 J11#85.2 J11#86.2 J11#87.2 J11#88.2 J11#89.2 J11#90.2 J11#91.2 J11#92.2 J11#93.2 J11#94.2 J11#95.2 J11#96.2
Net-(D15-Pad3): D15.3 D15#2.3 D15#3.3 D15#4.3 D15#5.3 D15#6.3 D15#7.3 D15#8.3 D15#9.3 D15#10.3 D15#11.3 D15#12.3 D15#13.3 D15#14.3 D15#15.3 D15#16.3 D15#17.3 D15#18.3 D15#19.3 D15#20.3 D15#21.3 D15#22.3 D15#23.3 D15#24.3 D15#25.3 D15#26.3 D15#27.3 D15#28.3 D15#29.3 D15#30.3 D15#31.3 D15#32.3 D16.4 D16#2.4 D16#3.4 D16#4.4 D16#5.4 D16#6.4 D16#7.4 D16#8.4 D16#9.4 D16#10.4 D16#11.4 D16#12.4 D16#13.4 D16#14.4 D16#15.4 D16#16.4 D16#17.4 D16#18.4 D16#19.4 D16#20.4 D16#21.4 D16#22.4 D16#23.4 D16#24.4 D16#25.4 D16#26.4 D16#27.4 D16#28.4 D16#29.4 D16#30.4 D16#31.4 D16#32.4 D17.6 D17#2.6 D17#3.6 D17#4.6 D17#5.6 D17#6.6 D17#7.6 D17#8.6 D17#9.6 D17#10.6 D17#11.6 D17#12.6 D17#13.6 D17#14.6 D17#15.6 D17#16.6 D17#17.6 D17#18.6 D17#19.6 D17#20.6 D17#21.6 D17#22.6 D17#23.6 D17#24.6 D17#25.6 D17#26.6 D17#27.6 D17#28.6 D17#29.6 D17#30.6 D17#31.6 D17#32.6 J11.1 J11#2.1 J11#3.1 J11#4.1 J11#5.1 J11#6.1 J11#7.1 J11#8.1 J11#9.1 J11#10.1 J11#11.1 J11#12.1 J11#13.1 J11#14.1 J11#15.1 J11#16.1 J11#17.1 J11#18.1 J11#19.1 J11#20.1 J11#21.1 J11#22.1 J11#23.1 J11#24.1 J11#25.1 J11#26.1 J11#27.1 J11#28.1 J11#29.1 J11#30.1 J11#31.1 J11#32.1 J11#33.1 J11#34.1 J11#35.1 J11#36.1 J11#37.1 J11#38.1 J11#39.1 J11#40.1 J11#41.1 J11#42.1 J11#43.1 J11#44.1 J11#45.1 J11#46.1 J11#47.1 J11#48.1 J11#49.1 J11#50.1 J11#51.1 J11#52.1 J11#53.1 J11#54.1 J11#55.1 J11#56.1 J11#57.1 J11#58.1 J11#59.1 J11#60.1 J11#61.1 J11#62.1 J11#63.1 J11#64.1 J11#65.1 J11#66.1 J11#67.1 J11#68.1 J11#69.1 J11#70.1 J11#71.1 J11#72.1 J11#73.1 J11#74.1 J11#75.1 J11#76.1 J11#77.1 J11#78.1 J11#79.1 J11#80.1 J11#81.1 J11#82.1 J11#83.1 J11#84.1 J11#85.1 J11#86.1 J11#87.1 J11#88.1 J11#89.1 J11#90.1 J11#91.1 J11#92.1 J11#93.1 J11#94.1 J11#95.1 J11#96.1 J14.2 J14#2.2 J14#3.2 J14#4.2 J14#5.2 J14#6.2 J14#7.2 J14#8.2 J14#9.2 J14#10.2 J14#11.2 J14#12.2 J14#13.2 J14#14.2 J14#15.2 J14#16.2 J14#17.2 J14#18.2 J14#19.2 J14#20.2 J14#21.2 J14#22.2 J14#23.2 J14#24.2 J14#25.2 J14#26.2 J14#27.2 J14#28.2 J14#29.2 J14#30.2 J14#31.2 J14#32.2 J14#33.2 J14#34.2 J14#35.2 J14#36.2 J14#37.2 J14#38.2 J14#39.2 J14#40.2 J14#41.2 J14#42.2 J14#43.2 J14#44.2 J14#45.2 J14#46.2 J14#47.2 J14#48.2 J14#49.2 J14#50.2 J14#51.2 J14#52.2 J14#53.2 J14#54.2 J14#55.2 J14#56.2 J14#57.2 J14#58.2 J14#59.2 J14#60.2 J14#61.2 J14#62.2 J14#63.2 J14#64.2 J14#65.2 J14#66.2 J14#67.2 J14#68.2 J14#69.2 J14#70.2 J14#71.2 J14#72.2 J14#73.2 J14#74.2 J14#75.2 J14#76.2 J14#77.2 J14#78.2 J14#79.2 J14#80.2 J14#81.2 J14#82.2 J14#83.2 J14#84.2 J14#85.2 J14#86.2 J14#87.2 J14#88.2 J14#89.2 J14#90.2 J14#91.2 J14#92.2 J14#93.2 J14#94.2 J14#95.2 J14#96.2
